# Altium PCB PCB.PcbDoc (part 7 of 7)
Units mil, origin at the board's own origin, x right, y up, seen from the top; angles counter-clockwise.
Board outline 3937.01 x 2165.35 mil, 6 copper layers (Top, PWR, Signal 1, Signal 2, GND, Bottom), stack 64.961 mil thick; 271 components, 335 nets, 1191 pads, 518 vias.
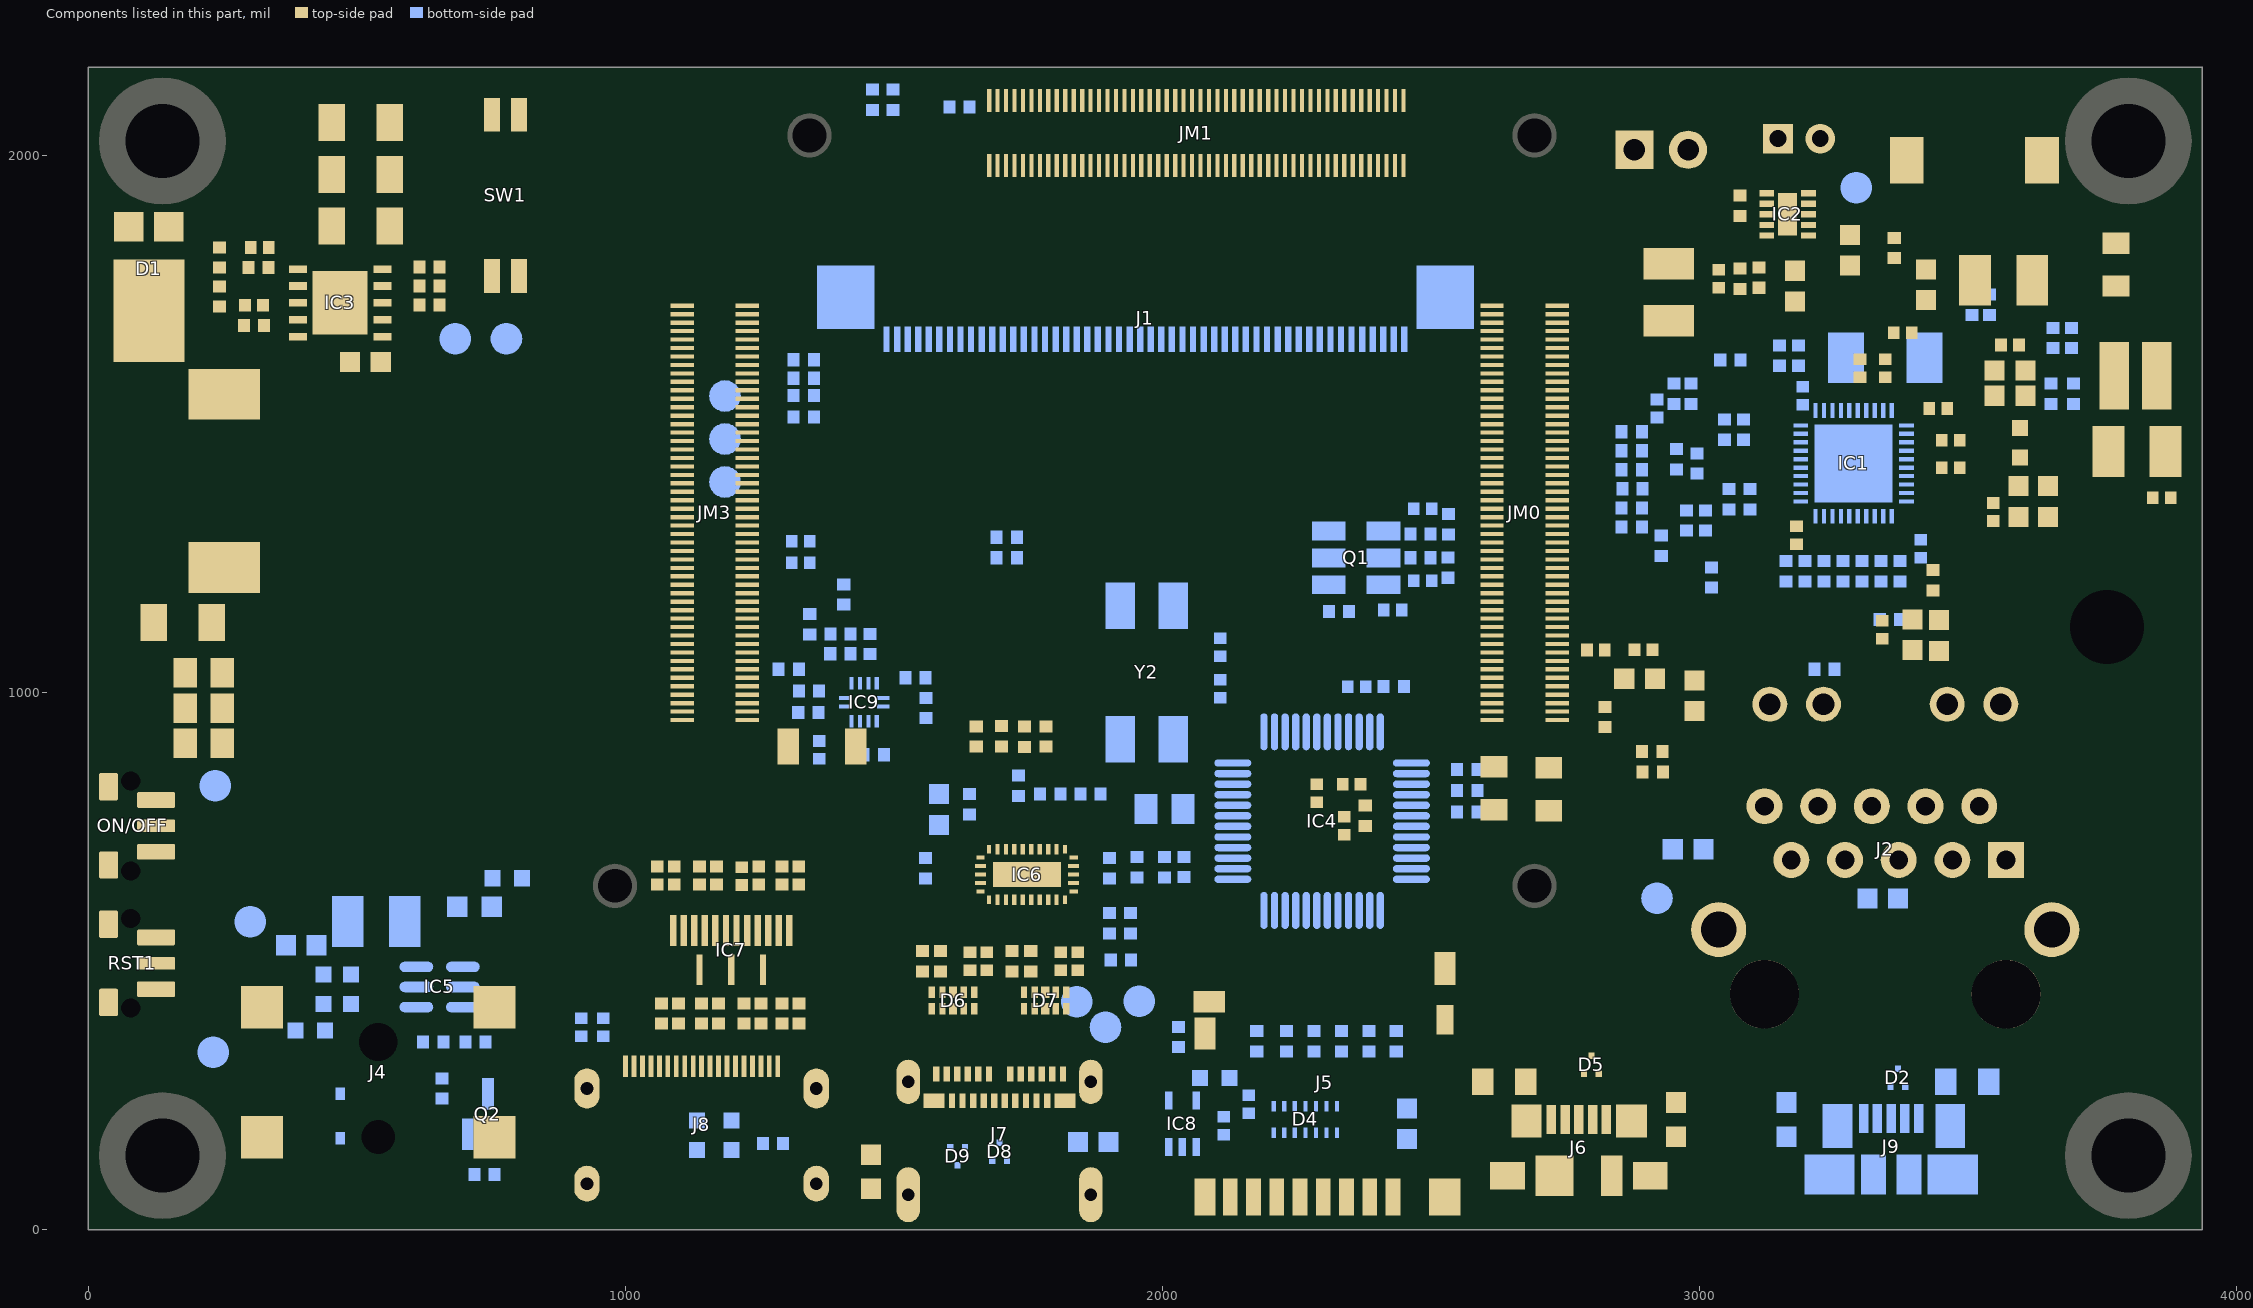
[diagram p11: the components of this part, seen from the top]

## Via types
v1: diameter 19.68, hole 5.91, Top to Bottom, tented both sides, 378 vias
v2: diameter 19.68, hole 5.91, Top to Bottom, 128 vias
v3: diameter 23.62, hole 9.84, Top to Bottom, 7 vias
v4: diameter 23.62, hole 7.87, Top to Bottom, 5 vias

## Nets (pads, with @x,y where several pads share a name; then routed paths per layer and width w, separated by ;. In a path a pad name is that pad's centre, name@x,y a point inside that pad or via, vN(x,y) a via of type N, cw(c..) or ccw(c..) an arc to the next point about the centre after c; other vN are vias at no path point) (continued)
copper on no net: (continued)
  Bottom w0.36: 187.72,1136.2 187.72,1166.57 ; 187.72,1183.92 187.72,1243.57 ; 187.72,1260.92 187.72,1291.28 ; 188.08,1136.56 188.08,1165.85 ; 188.08,1185 188.08,1242.48 ; 188.08,1261.64 188.08,1290.92 ; 188.44,1136.93 188.44,1165.48 ; 188.44,1185.73 188.44,1241.76 ; 188.44,1262 188.44,1290.56 ; 188.8,1137.29 188.8,1165.12 ; 188.8,1186.81 188.8,1240.67 ; 188.8,1262.72 188.8,1290.2 ; 189.17,1137.65 189.17,1164.4 ; 189.17,1187.53 189.17,1239.95 ; 189.17,1263.09 189.17,1289.84 ; 189.53,1138.01 189.53,1164.04 ; 189.53,1188.62 189.53,1238.87 ; 189.53,1263.45 189.53,1289.47 ; 189.89,1138.37 189.89,1163.31 ; 189.89,1189.34 189.89,1238.14 ; 189.89,1264.17 189.89,1289.11 ; 190.25,1138.73 190.25,1162.95 ; 190.25,1190.07 190.25,1237.42 ; 190.25,1264.53 190.25,1288.75 ; 190.61,1139.09 190.61,1162.23 ; 190.61,1191.15 190.61,1236.34 ; 190.61,1265.25 190.61,1288.39 ; 190.97,1139.46 190.97,1161.87 ; 190.97,1191.87 190.97,1235.61 ; 190.97,1265.62 190.97,1288.03 ; 191.33,1139.82 191.33,1161.15 ; 191.33,1192.6 191.33,1234.89 ; 191.33,1266.34 191.33,1287.67 ; 191.7,1140.18 191.7,1160.78 ; 191.7,1193.32 191.7,1234.17 ; 191.7,1266.7 191.7,1287.31 ; 192.06,1140.54 192.06,1160.06 ; 192.06,1193.68 192.06,1233.81 ; 192.06,1267.42 192.06,1286.94 ; 192.42,1140.9 192.42,1159.7 ; 192.42,1193.68 192.42,1233.81 ; 192.42,1267.79 192.42,1286.58 ; 192.78,1141.26 192.78,1158.98 ; 192.78,1194.04 192.78,1233.44 ; 192.78,1268.51 192.78,1286.22 ; 193.14,1141.63 193.14,1158.62 ; 193.14,1194.04 193.14,1233.44 ; 193.14,1268.87 193.14,1285.86 ; 193.5,1141.99 193.5,1158.25 ; 193.5,1194.04 193.5,1233.44 ; 193.5,1269.23 193.5,1285.5 ; 193.87,1142.35 193.87,1157.53 ; 193.87,1194.04 193.87,1233.44 ; 193.87,1269.95 193.87,1285.14 ; 194.23,1142.71 194.23,1157.17 ; 194.23,1194.04 194.23,1233.44 ; 194.23,1270.32 194.23,1284.78 ; 194.59,1143.07 194.59,1156.45 ; 194.59,1194.4 194.59,1233.08 ; 194.59,1271.04 194.59,1284.41 ; 194.95,1143.43 194.95,1156.09 ; 194.95,1194.4 194.95,1233.08 ; 194.95,1271.4 194.95,1284.05 ; 195.31,1143.79 195.31,1155.36 ; 195.31,1194.4 195.31,1233.08 ; 195.31,1272.12 195.31,1283.69 ; 195.67,1144.16 195.67,1155 ; 195.67,1194.4 195.67,1233.08 ; 195.67,1272.48 195.67,1283.33 ; 196.03,1144.52 196.03,1154.28 ; 196.03,1194.4 196.03,1233.08 ; 196.03,1273.21 196.03,1282.97 ; 196.4,1144.88 196.4,1153.92 ; 196.4,1194.4 196.4,1233.08 ; 196.4,1273.57 196.4,1282.61 ; 196.76,1145.24 196.76,1153.19 ; 196.76,1194.76 196.76,1232.72 ; 196.76,1274.29 196.76,1282.24 ; 197.12,1145.6 197.12,1152.83 ; 197.12,1194.76 197.12,1232.72 ; 197.12,1274.65 197.12,1281.88 ; 197.48,1145.96 197.48,1152.47 ; 197.48,1194.76 197.48,1232.72 ; 197.48,1275.02 197.48,1281.52 ; 197.84,1146.32 197.84,1151.75 ; 197.84,1194.76 197.84,1232.72 ; 197.84,1275.74 197.84,1281.16 ; 198.2,1146.69 198.2,1151.39 ; 198.2,1194.76 198.2,1232.72 ; 198.2,1276.1 198.2,1280.8 ; 198.56,1147.05 198.56,1150.66 ; 198.56,1195.13 198.56,1232.36 ; 198.56,1276.82 198.56,1280.44 ; 198.93,1147.41 198.93,1150.3 ; 198.93,1195.13 198.93,1232.36 ; 198.93,1277.18 198.93,1280.08 ; 199.29,1147.77 199.29,1149.58 ; 199.29,1195.13 199.29,1232.36 ; 199.29,1277.91 199.29,1279.71 ; 199.65,1195.13 199.65,1232.36 ; 200.01,1195.13 200.01,1232.36 ; 200.37,1195.49 200.37,1232 ; 200.73,1195.49 200.73,1232 ; 201.1,1195.49 201.1,1232 ; 201.46,1195.49 201.46,1232 ; 201.82,1195.49 201.82,1232 ; 202.18,1195.49 202.18,1232 ; 202.54,1195.85 202.54,1231.64 ; 202.9,1195.85 202.9,1231.64 ; 203.26,1195.85 203.26,1231.64 ; 203.63,1195.85 203.63,1231.64 ; 203.99,1195.85 203.99,1231.64 ; 204.35,1196.21 204.35,1231.27 ; 204.71,1196.21 204.71,1231.27 ; 205.07,1196.21 205.07,1231.27 ; 205.43,1196.21 205.43,1231.27 ; 205.79,1196.21 205.79,1231.27 ; 206.16,1196.57 206.16,1231.27 ; 206.52,1196.57 206.52,1230.91 ; 206.88,1196.57 206.88,1230.91 ; 207.24,1196.57 207.24,1230.91 ; 207.6,1196.57 207.6,1230.91 ; 207.96,1196.57 207.96,1230.91 ; 208.32,1196.93 208.32,1230.55 ; 208.69,1196.93 208.69,1230.55 ; 209.05,1196.93 209.05,1230.55 ; 209.41,1196.93 209.41,1230.55 ; 209.77,1196.93 209.77,1230.55 ; 210.13,1197.29 210.13,1230.19 ; 210.49,1197.29 210.49,1230.19 ; 210.86,1197.29 210.86,1230.19 ; 211.22,1197.29 211.22,1230.19 ; 211.58,1197.29 211.58,1230.19 ; 211.94,1197.29 211.94,1230.19 ; 212.3,1197.66 212.3,1229.83 ; 212.66,1197.66 212.66,1229.83 ; 213.02,1197.66 213.02,1229.83 ; 213.39,1197.66 213.39,1229.83 ; 213.75,1197.66 213.75,1229.83 ; 214.11,1198.02 214.11,1229.47 ; 214.47,1198.02 214.47,1229.47 ; 214.83,1198.02 214.83,1229.47 ; 215.19,1198.02 215.19,1229.47 ; 215.55,1198.02 215.55,1229.47 ; 215.92,1198.38 215.92,1229.11 ; 216.28,1198.38 216.28,1229.11 ; 216.64,1198.38 216.64,1229.11 ; 217,1198.38 217,1229.11 ; 217.36,1198.38 217.36,1229.11 ; 217.72,1198.38 217.72,1229.11 ; 218.09,1198.74 218.09,1228.74 ; 218.45,1198.74 218.45,1228.74 ; 218.81,1198.74 218.81,1228.74 ; 219.17,1198.74 219.17,1228.74 ; 219.53,1198.74 219.53,1228.74 ; 219.89,1199.1 219.89,1228.38 ; 220.25,1199.1 220.25,1228.38 ; 220.62,1199.46 220.62,1228.02 ; 220.98,1200.19 220.98,1227.3

## Polygon pours and split planes (outlines as drawn)
GND on Bottom "Bottom Layer-No Net" (solid, pour order 26): 2264,1126 2598,1126 2598,1365 2264,1365 2264,1240
no net on Top Solder "AntmicroLogo" (solid, pour order 9): 319 vertices, not listed, extent 366.05,562.72 546.5,720.25
no net on Top Solder "AntmicroLogo" (solid, pour order 10): 205 vertices, not listed, extent 419.32,612.69 493.23,670.27
no net on Top Solder "AntmicroLogo" (solid, pour order 23): 33 vertices, not listed, extent 424.18,1080.47 489.39,1130.16
no net on Top Solder "AntmicroLogo" (solid, pour order 18): 488.21,1052.06 428.61,1052.06 425.39,1061.43 424.18,1073.52 424.31,1076.92 424.52,1079 432.23,1076.67 431.43,1073.64 431.17,1070.26 431.55,1066.07 432.81,1062.32 488.21,1062.32
no net on Top Solder "AntmicroLogo" (solid, pour order 16): 39 vertices, not listed, extent 424.18,1003.66 489.39,1042.16
no net on Top Solder "AntmicroLogo" (solid, pour order 14): 488.21,983.85 488.21,994.11 425.35,994.11 425.35,983.85
no net on Top Solder "AntmicroLogo" (solid, pour order 14): 113 vertices, not listed, extent 424.09,889.13 488.31,970.04
no net on Top Solder "AntmicroLogo" (solid, pour order 12): 24 vertices, not listed, extent 407.73,851.21 488.8,879.67
no net on Top Solder "AntmicroLogo" (solid, pour order 12): 19 vertices, not listed, extent 424.18,798.6 488.21,844.32
no net on Top Solder "AntmicroLogo" (solid, pour order 10): 34 vertices, not listed, extent 424.18,740.01 489.39,784.8
NetIC2_10 on Top "Top-No Net" (solid, pour order 26): 3188.98,1921.26 3440.94,1921.26 3440.94,2059.06 3188.98,2059.06
NetC25_2 on Top "Top-No Net" (solid, pour order 24): 3669.29,2055.12 3468.5,2055.12 3467.07,2053.69 3467.07,1703.23 3572.36,1703.23 3574.8,1700.79 3574.8,1822.83 3814.96,1822.83 3814.96,1905.51 3669.29,1905.51
no net on Top "AntmicroLogo" (solid, pour order 27): 319 vertices, not listed, extent 366.05,562.72 546.5,720.25
no net on Top "AntmicroLogo" (solid, pour order 28): 205 vertices, not listed, extent 419.32,612.69 493.23,670.27
no net on Top "AntmicroLogo" (solid, pour order 36): 33 vertices, not listed, extent 424.18,1080.47 489.39,1130.16
no net on Top "AntmicroLogo" (solid, pour order 35): 488.21,1052.06 428.61,1052.06 425.39,1061.43 424.18,1073.52 424.31,1076.92 424.52,1079 432.23,1076.67 431.43,1073.64 431.17,1070.26 431.55,1066.07 432.81,1062.32 488.21,1062.32
no net on Top "AntmicroLogo" (solid, pour order 34): 39 vertices, not listed, extent 424.18,1003.66 489.39,1042.16
no net on Top "AntmicroLogo" (solid, pour order 33): 488.21,983.85 488.21,994.11 425.35,994.11 425.35,983.85
no net on Top "AntmicroLogo" (solid, pour order 32): 113 vertices, not listed, extent 424.09,889.13 488.31,970.04
no net on Top "AntmicroLogo" (solid, pour order 31): 24 vertices, not listed, extent 407.73,851.21 488.8,879.67
no net on Top "AntmicroLogo" (solid, pour order 30): 19 vertices, not listed, extent 424.18,798.6 488.21,844.32
no net on Top "AntmicroLogo" (solid, pour order 29): 34 vertices, not listed, extent 424.18,740.01 489.39,784.8
NetF1_2 on Top "Top-No Net" (solid, pour order 22): 1321.91,936.69 1321.52,937.09 1247.7,937.09 1247.7,1004.87 1246.92,1005.67 1244.99,1007.68 1082.27,1007.68 1082.27,867.32 1082.66,866.91 1083.43,866.11 1322.29,866.11 1322.29,935.89 1321.91,936.29
+5V0_SW on Top "Top-No Net" (solid, pour order 25): 1405.78,936.58 1405.78,624.46 1435.53,624.46 1451.64,624.46 1451.64,936.68
+3V3_PHY_AVDD on PWR (split plane): 3433.56,1483.06 3099.45,1483.06 3099.45,1566.01 3099.99,1566.55 3433.56,1566.55
+5V0_SW on PWR (split plane): 3028.23,1220.58 3028.62,1218.63 3029.72,1216.98 3031.38,1215.87 3033.33,1215.48 3069.67,1215.48 3069.67,1138.66 2916.82,1138.66 2916.82,1344.53 3028.23,1344.53
+3V3_PHY on PWR (split plane): 44 vertices, not listed, extent 2767.41,981.09 3916.91,1759.77
+3V3_PHY on PWR (split plane): 3591.92,1058.35 3196.4,1058.35 3196.4,1214.55 3591.92,1214.55
+5V0_SW on PWR (split plane): 142 vertices, not listed, extent 89.19,20.1 3916.91,2145.26
+VIN on PWR (split plane): 58 vertices, not listed, extent 20.1,20.1 3092.86,2145.26
+3V3 on PWR (split plane): 2681.54,213.17 2681.93,211.22 2682.21,210.79 2682.21,20.1 1991.75,20.1 1991.75,392.04 2428.02,828.32 2681.54,828.32
EGND on GND (split plane): 3916.91,20.1 2984.33,20.1 2984.33,1047.17 3916.91,1047.17
GND on GND (split plane): 25 vertices, not listed, extent 20.1,20.1 3916.91,2145.26

## Keep-outs
Keep-Out Layer:
  the board outline again, w10

## Other copper
Top:
  rectangle net GND: 2593.48,1119.19 2838.72,1219.45
  rectangle net NetJM0_91: 2689.44,850.59 2776.8,1017.16
  rectangle net NetJM0_94: 2576.28,851.97 2647.28,1001.46
  rectangle net NetC75_2: 194.54,1083.84 290.48,1282.71
  rectangle net +5V0_SW: 46.72,865.12 144.56,1167.12
  rectangle net NetC75_2: 158.54,875.1 219.43,1282.71
  region net +VIN: 525.36,2101.35 525.36,1835.58 720.34,1835.33 720.26,1965.52 720.58,2101.03
  region net NetC26_2: 45.58,1800.36 45.58,1509.02 358.73,1509.05 358.65,1573.99 358.95,1638.82 178.12,1638.95 178.12,1800.36
  pour cut-out: 475.81,750.78 470.14,749.81 463.01,751.53 457.99,756.52 454.7,764.52 452.75,775.23 481.33,775.23 482.2,773.13 482.86,770.61 483.28,767.8 483.43,764.85 482.55,758.36 479.98,753.65
  pour cut-out: 470.87,1092.45 466.46,1091.46 461.63,1090.9 456.49,1090.73 451.36,1090.9 446.56,1091.46 442.18,1092.45 438.35,1093.91 435.17,1095.88 432.76,1098.41 431.24,1101.54 430.7,1105.32 431.24,1109.09 432.76,1112.22 435.17,1114.75 438.35,1116.72 442.18,1118.18 446.56,1119.16 451.36,1119.72 456.49,1119.9 461.63,1119.72 466.46,1119.16 470.87,1118.18 474.75,1116.72 477.96,1114.75 480.4,1112.22 481.96,1109.09 482.5,1105.32 481.96,1101.54 480.4,1098.41 477.96,1095.88 474.75,1093.91
  pour cut-out: 458.77,665.08 cw(c456.27,665.08) 456.27,662.58 cw(c456.27,665.08) 453.77,665.08 cw(c456.27,665.08) 456.27,667.57 cw(c456.27,665.08)
  pour cut-out: 437.89,661.98 cw(c435.39,661.98) 435.39,659.49 cw(c435.39,661.98) 432.9,661.98 cw(c435.39,661.98) 435.39,664.47 cw(c435.39,661.98)
  pour cut-out: 431.47,641.48 cw(c426.58,641.48) 426.58,636.6 cw(c426.58,641.48) 421.7,641.48 cw(c426.58,641.48) 426.58,646.37 cw(c426.58,641.48)
  pour cut-out: 437.89,620.98 cw(c435.39,620.98) 435.39,618.49 cw(c435.39,620.98) 432.9,620.98 cw(c435.39,620.98) 435.39,623.48 cw(c435.39,620.98)
  pour cut-out: 458.77,617.88 cw(c456.27,617.88) 456.27,615.38 cw(c456.27,617.88) 453.77,617.88 cw(c456.27,617.88) 456.27,620.37 cw(c456.27,617.88)
  pour cut-out: 479.64,620.98 cw(c477.15,620.98) 477.15,618.49 cw(c477.15,620.98) 474.66,620.98 cw(c477.15,620.98) 477.15,623.48 cw(c477.15,620.98)
  pour cut-out: 490.85,641.48 cw(c485.96,641.48) 485.96,636.6 cw(c485.96,641.48) 481.08,641.48 cw(c485.96,641.48) 485.96,646.37 cw(c485.96,641.48)
  pour cut-out: 477.15,659.49 ccw(c477.15,661.98) 479.64,661.98 ccw(c477.15,661.98) 477.15,664.47 ccw(c477.15,661.98) 474.66,661.98 ccw(c477.15,661.98)
  text "Google Coral Baseboard" at 544.33,750.46 h60 r90
  text "Rev. 1.3    10/2019" at 608.65,750.46 h60 r90
Bottom:
  rectangle net GND: 453.42,524.57 544.95,624.11
PWR (plane layer: these items are gaps in the copper):
  region: 1233,2126.61 1233,1778.34 1079.92,1778.34 1078.07,1776.49 1078.07,1250.13 1050.25,1222.3 1050.25,1069.57 1077.49,1042.34 1077.49,942.96 891.97,942.96 891.79,942.78 891.79,2126.74 891.46,2165.97 1060.68,2166.24 1233.12,2166.39
  lines w7.87: 822.83,2163.61 822.83,1574.58 403.83,1574.58 85.17,1255.92 85.17,833.75 333.82,585.11 846.46,585.11 2013.82,585.11 2453.93,1025.21 2453.93,1496.7 2909.13,1951.9 3099.48,1951.9 ; 863.99,-3.53 860.52,-0.06 860.52,527.65 861.33,528.47 1924.93,528.47 2046.44,528.47 2160.76,642.79 2160.76,644 2514.27,997.51 2514.27,1476.65 2814,1776.38 2980.54,1776.38 2980.54,1866.67 2981.72,1867.85 3095.61,1867.85 3096.87,1869.12 3096.87,1951.94 ; 3033.33,1763.78 3937.01,1763.78 ; 3097.55,1569.78 3095.44,1567.67 3095.44,1478.45 3096.04,1479.05 3439.68,1479.05 3437.57,1481.16 3437.57,1569.18 3436.18,1570.57 3111.29,1570.57 3097.6,1570.57 3097.55,1570.51
  lines w10: 1986.65,0 1986.65,394.15 2425.91,833.41 2654.73,833.41 2685.36,833.41 2686.64,832.13 2686.64,213.17 2687.31,212.5 2687.31,-6.03 ; 3030.65,1349.63 2911.72,1349.63 2911.72,1134.49 ; 3033.33,1763.78 3033.33,1220.58 3073.38,1220.58 ; 3074.77,1219.19 3074.77,1134.66 3075.86,1133.56 2912.65,1133.56 2911.72,1134.49 ; 3191.31,1218.63 3191.31,1053.26 ; 3191.31,1220.58 3192.23,1219.65 3933.65,1219.65 3939.23,1225.23 ; 3597.01,1219.61 3597.01,1053.04 3596.8,1053.26 3550.99,1053.26 3191.31,1053.26 ; 2911.72,1134.49 2767.62,1134.49 2762.31,1129.18 2762.31,976.91 2763.22,976 2906.63,976 2907.01,976.38 2907.01,1054.02 2907.78,1053.26 3191.31,1053.26
GND (plane layer: these items are gaps in the copper):
  region: 1232.82,2126.43 1232.82,1778.16 1079.74,1778.16 1077.9,1776.31 1077.9,1249.95 1050.07,1222.12 1050.07,1069.39 1077.31,1042.16 1077.31,942.78 891.79,942.78 891.61,942.6 891.61,2126.56 891.46,2165.97 1060.68,2166.24 1233.12,2166.39
  lines w7.87: 2980.32,-7.87 2980.32,1051.18 3937.01,1051.18

## Silkscreen, mask and mechanical layers (free items; w line width, h text height)
Top Overlay:
  circle w11.81: c583.56,1645.5 r6.74
  lines w3.94: 2724.47,590.26 2740.63,590.26 2754.7,604.33 2754.7,721.46
  lines w7.87: 240.86,1948.38 240.86,1869.25 217.68,1846.07 217.68,1679.82 233.67,1663.84 319.99,1663.84 ; 892.05,1952.46 892.05,2026.28 ; 1144.98,1334.88 1181.05,1334.88 ; 1166.46,1661.55 1166.46,1717.26 ; 2063.31,2029.82 2063.31,2062.68 ; 2674.73,1686.7 2674.73,1775.85
  text "BOOT1 ON" at 757.3,1477.85 h30 r90
  text "BOOT0 ON" at 818.52,1473.52 h30 r90
Bottom Overlay:
  lines w5.91: 1075.44,1139.34 1119.96,1094.82 1125.93,1094.82 1292.53,1094.82 ; 1292.53,1199.46 1292.53,1094.82 ; 1354.03,1079.68 1326.95,1079.68 1311.81,1094.82 1292.53,1094.82
Top Solder:
  pour cut-out: 475.81,750.78 470.14,749.81 463.01,751.53 457.99,756.52 454.7,764.52 452.75,775.23 481.33,775.23 482.2,773.13 482.86,770.61 483.28,767.8 483.43,764.85 482.55,758.36 479.98,753.65
  pour cut-out: 470.87,1092.45 466.46,1091.46 461.63,1090.9 456.49,1090.73 451.36,1090.9 446.56,1091.46 442.18,1092.45 438.35,1093.91 435.17,1095.88 432.76,1098.41 431.24,1101.54 430.7,1105.32 431.24,1109.09 432.76,1112.22 435.17,1114.75 438.35,1116.72 442.18,1118.18 446.56,1119.16 451.36,1119.72 456.49,1119.9 461.63,1119.72 466.46,1119.16 470.87,1118.18 474.75,1116.72 477.96,1114.75 480.4,1112.22 481.96,1109.09 482.5,1105.32 481.96,1101.54 480.4,1098.41 477.96,1095.88 474.75,1093.91
  pour cut-out: 458.77,665.08 cw(c456.27,665.08) 456.27,662.58 cw(c456.27,665.08) 453.77,665.08 cw(c456.27,665.08) 456.27,667.57 cw(c456.27,665.08)
  pour cut-out: 437.89,661.98 cw(c435.39,661.98) 435.39,659.49 cw(c435.39,661.98) 432.9,661.98 cw(c435.39,661.98) 435.39,664.47 cw(c435.39,661.98)
  pour cut-out: 431.47,641.48 cw(c426.58,641.48) 426.58,636.6 cw(c426.58,641.48) 421.7,641.48 cw(c426.58,641.48) 426.58,646.37 cw(c426.58,641.48)
  pour cut-out: 437.89,620.98 cw(c435.39,620.98) 435.39,618.49 cw(c435.39,620.98) 432.9,620.98 cw(c435.39,620.98) 435.39,623.48 cw(c435.39,620.98)
  pour cut-out: 458.77,617.88 cw(c456.27,617.88) 456.27,615.38 cw(c456.27,617.88) 453.77,617.88 cw(c456.27,617.88) 456.27,620.37 cw(c456.27,617.88)
  pour cut-out: 479.64,620.98 cw(c477.15,620.98) 477.15,618.49 cw(c477.15,620.98) 474.66,620.98 cw(c477.15,620.98) 477.15,623.48 cw(c477.15,620.98)
  pour cut-out: 490.85,641.48 cw(c485.96,641.48) 485.96,636.6 cw(c485.96,641.48) 481.08,641.48 cw(c485.96,641.48) 485.96,646.37 cw(c485.96,641.48)
  pour cut-out: 477.15,659.49 ccw(c477.15,661.98) 479.64,661.98 ccw(c477.15,661.98) 477.15,664.47 ccw(c477.15,661.98) 474.66,661.98 ccw(c477.15,661.98)
  text "Google Coral Baseboard" at 544.34,750.45 h60 r90
  text "Rev. 1.3    10/2019" at 608.65,750.46 h60 r90
Bottom Solder:
  drawing of 3317 lines, arcs and shapes, not listed
Mechanical 2:
  drawing of 451 lines, arcs and shapes, not listed
  text "Layer" at 4499.35,2539.93 h60
  text "Name" at 4909.26,2539.93 h60
  text "Material" at 5839.01,2539.93 h60
  text "Thickness" at 6698.78,2539.93 h60
  text "Constant" at 7348.61,2539.93 h60
  text "Board Layer Stack" at 7918.47,2539.93 h60
  text "1" at 4499.35,2419.93 h60
  text "Top Paste" at 4909.26,2419.93 h60
  text "2" at 4499.35,2299.93 h60
  text "Top Overlay" at 4909.26,2299.93 h60
  text "3" at 4499.35,2179.93 h60
  text "Top Solder" at 4909.26,2179.93 h60
  text "Solder Resist" at 5839.01,2179.93 h60
  text "0.010mm" at 6698.78,2179.93 h60
  text "3.5" at 7348.61,2179.93 h60
  text "4" at 4499.35,2059.93 h60
  text "Top" at 4909.26,2059.93 h60
  text "Copper" at 5839.01,2059.93 h60
  text "0.035mm" at 6698.78,2059.93 h60
  text "5" at 4499.35,1939.93 h60
  text "Dielectric 1" at 4909.26,1939.93 h60
  text "PR2116" at 5839.01,1939.93 h60
  text "0.240mm" at 6698.78,1939.93 h60
  text "4.26" at 7348.61,1939.93 h60
  text "6" at 4499.35,1819.93 h60
  text "PWR" at 4909.26,1819.93 h60
  text "Copper" at 5839.01,1819.93 h60
  text "0.035mm" at 6698.78,1819.93 h60
  text "7" at 4499.35,1699.93 h60
  text "Dielectric 3" at 4909.26,1699.93 h60
  text "FR4" at 5839.01,1699.93 h60
  text "0.360mm" at 6698.78,1699.93 h60
  text "4.2" at 7348.61,1699.93 h60
  text "8" at 4499.35,1579.93 h60
  text "Signal 1" at 4909.26,1579.93 h60
  text "Copper" at 5839.01,1579.93 h60
  text "0.035mm" at 6698.78,1579.93 h60
  text "9" at 4499.35,1459.93 h60
  text "Dielectric 6" at 4909.26,1459.93 h60
  text "PR2116" at 5839.01,1459.93 h60
  text "0.240mm" at 6698.78,1459.93 h60
  text "4.26" at 7348.61,1459.93 h60
  text "10" at 4499.35,1339.93 h60
  text "Signal 2" at 4909.26,1339.93 h60
  text "Copper" at 5839.01,1339.93 h60
  text "0.035mm" at 6698.78,1339.93 h60
  text "11" at 4499.35,1219.93 h60
  text "Dielectric 5" at 4909.26,1219.93 h60
  text "FR4" at 5839.01,1219.93 h60
  text "0.360mm" at 6698.78,1219.93 h60
  text "4.2" at 7348.61,1219.93 h60
  text "12" at 4499.35,1099.93 h60
  text "GND" at 4909.26,1099.93 h60
  text "Copper" at 5839.01,1099.93 h60
  text "0.035mm" at 6698.78,1099.93 h60
  text "13" at 4499.35,979.93 h60
  text "Dielectric 4" at 4909.26,979.93 h60
  text "PR2116" at 5839.01,979.93 h60
  text "0.240mm" at 6698.78,979.93 h60
  text "4.26" at 7348.61,979.93 h60
  text "14" at 4499.35,859.93 h60
  text "Bottom" at 4909.26,859.93 h60
  text "Copper" at 5839.01,859.93 h60
  text "0.035mm" at 6698.78,859.93 h60
  text "15" at 4499.35,739.93 h60
  text "Bottom Solder" at 4909.26,739.93 h60
  text "Solder Resist" at 5839.01,739.93 h60
  text "0.010mm" at 6698.78,739.93 h60
  text "3.5" at 7348.61,739.93 h60
  text "16" at 4499.35,619.93 h60
  text "Bottom Overlay" at 4909.26,619.93 h60
  text "17" at 4499.35,499.93 h60
  text "Bottom Paste" at 4909.26,499.93 h60
  text "PCB stackup optimized for production at Eurocircuits" at 4433.62,349.76 h60
  text "http://be.eurocircuits.com" at 4433.62,233.91 h60
  text "Technology class 7D" at 4433.62,118.05 h60

## Text inside footprints (layer, text, board x,y; h text height)
J1: Bottom Overlay "50" at 2551.39,1632.55 h30; Bottom Overlay "1" at 1446.75,1634.05 h30
J2: Top Overlay "14" at 3146.46,1043.58 h30 r180; Top Overlay "13" at 3251.46,1043.58 h30 r180; Top Overlay "12" at 3481.46,1043.58 h30 r180; Top Overlay "11" at 3576.46,1043.58 h30 r180; Top Overlay "10" at 3078.74,794.49 h30 r180; Top Overlay "9" at 3125.98,700 h30 r180; Top Overlay "2" at 3582.68,802.36 h30 r180; Top Overlay "1" at 3629.92,700 h30 r180
J4: Top Overlay "1" at 334.96,101.42 h30 r90; Top Overlay "1" at 334.96,479.37 h30 r90; Top Overlay "2" at 768.03,93.54 h30 r90; Top Overlay "3" at 768.03,471.5 h30 r90
J5: Mechanical 3 "Micro SD Card" at 2126.73,-65.38 h30
J8: Mechanical 15 "PCB Edge" at 1071.36,58.3 h30